# Altium PCB MainBoard.PcbDoc
Units mil, origin at the board's own origin, x right, y up, seen from the top; angles counter-clockwise.
Board outline 4810.03 x 3172.53 mil, 2 copper layers (Top Layer, Bottom Layer); 45 components, 73 nets, 289 pads, 36 vias.
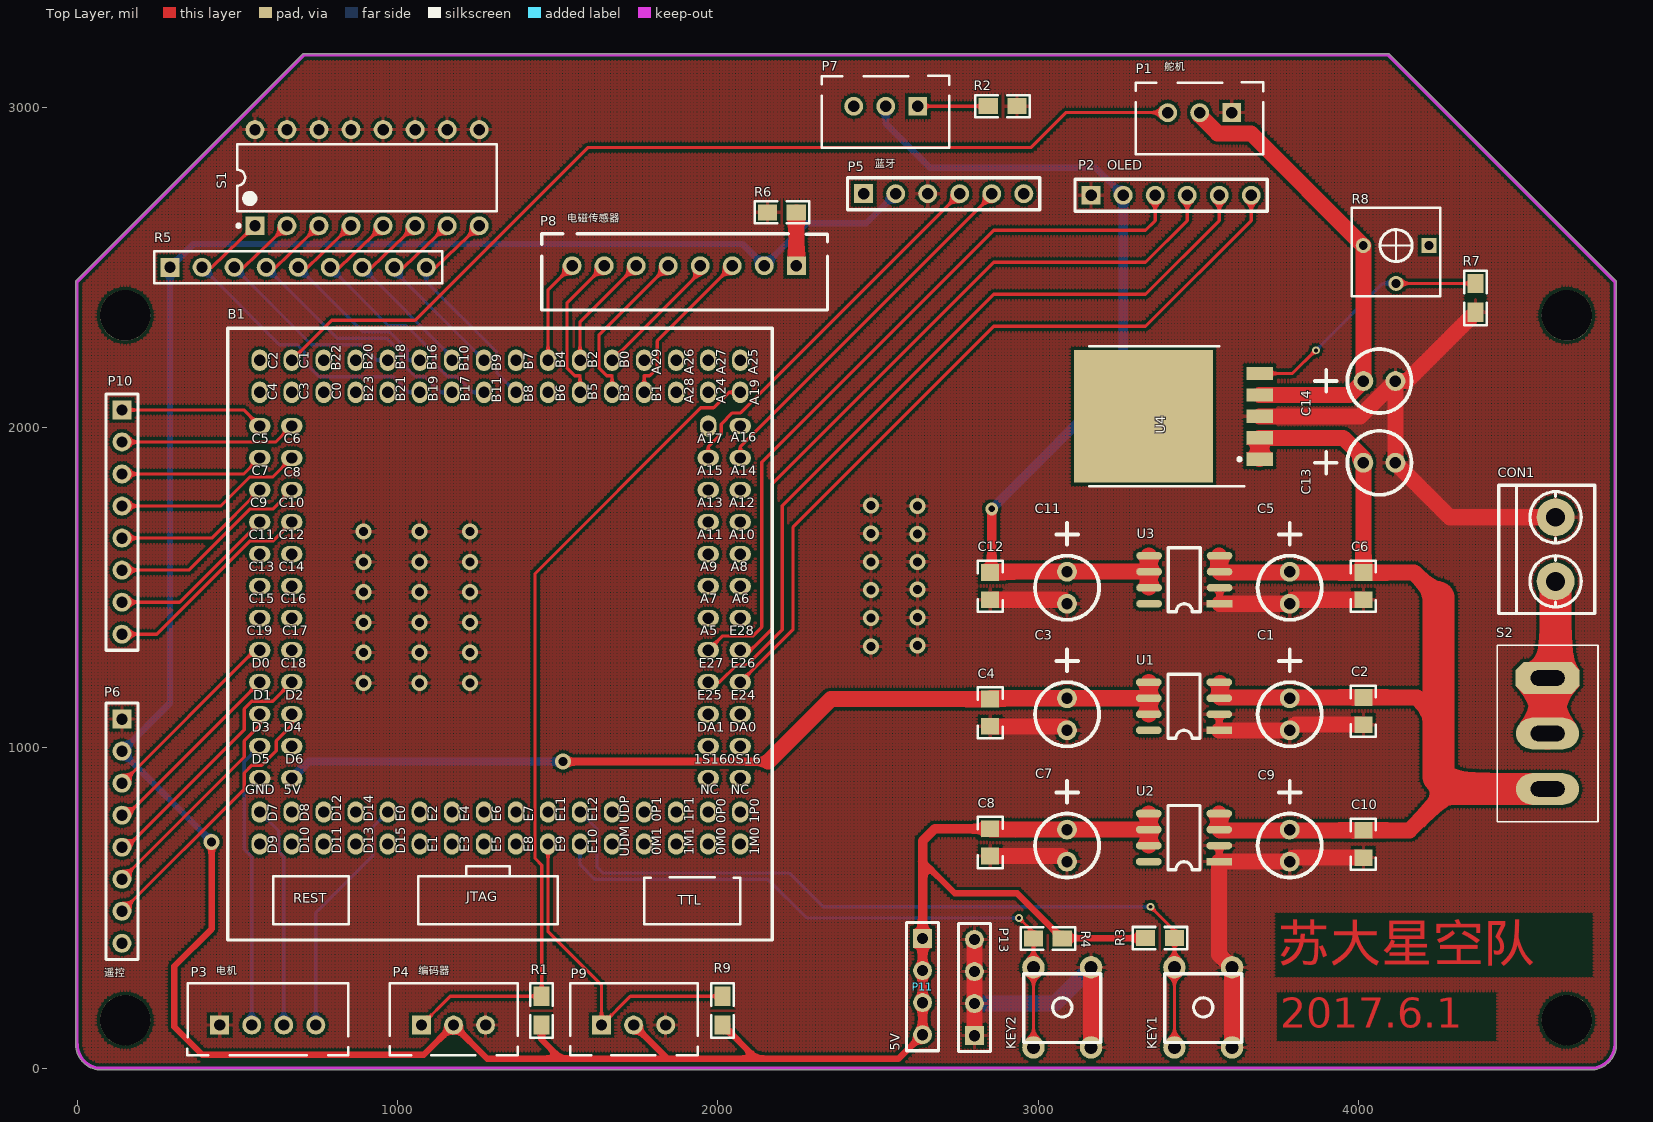
[diagram p0: Top Layer view]
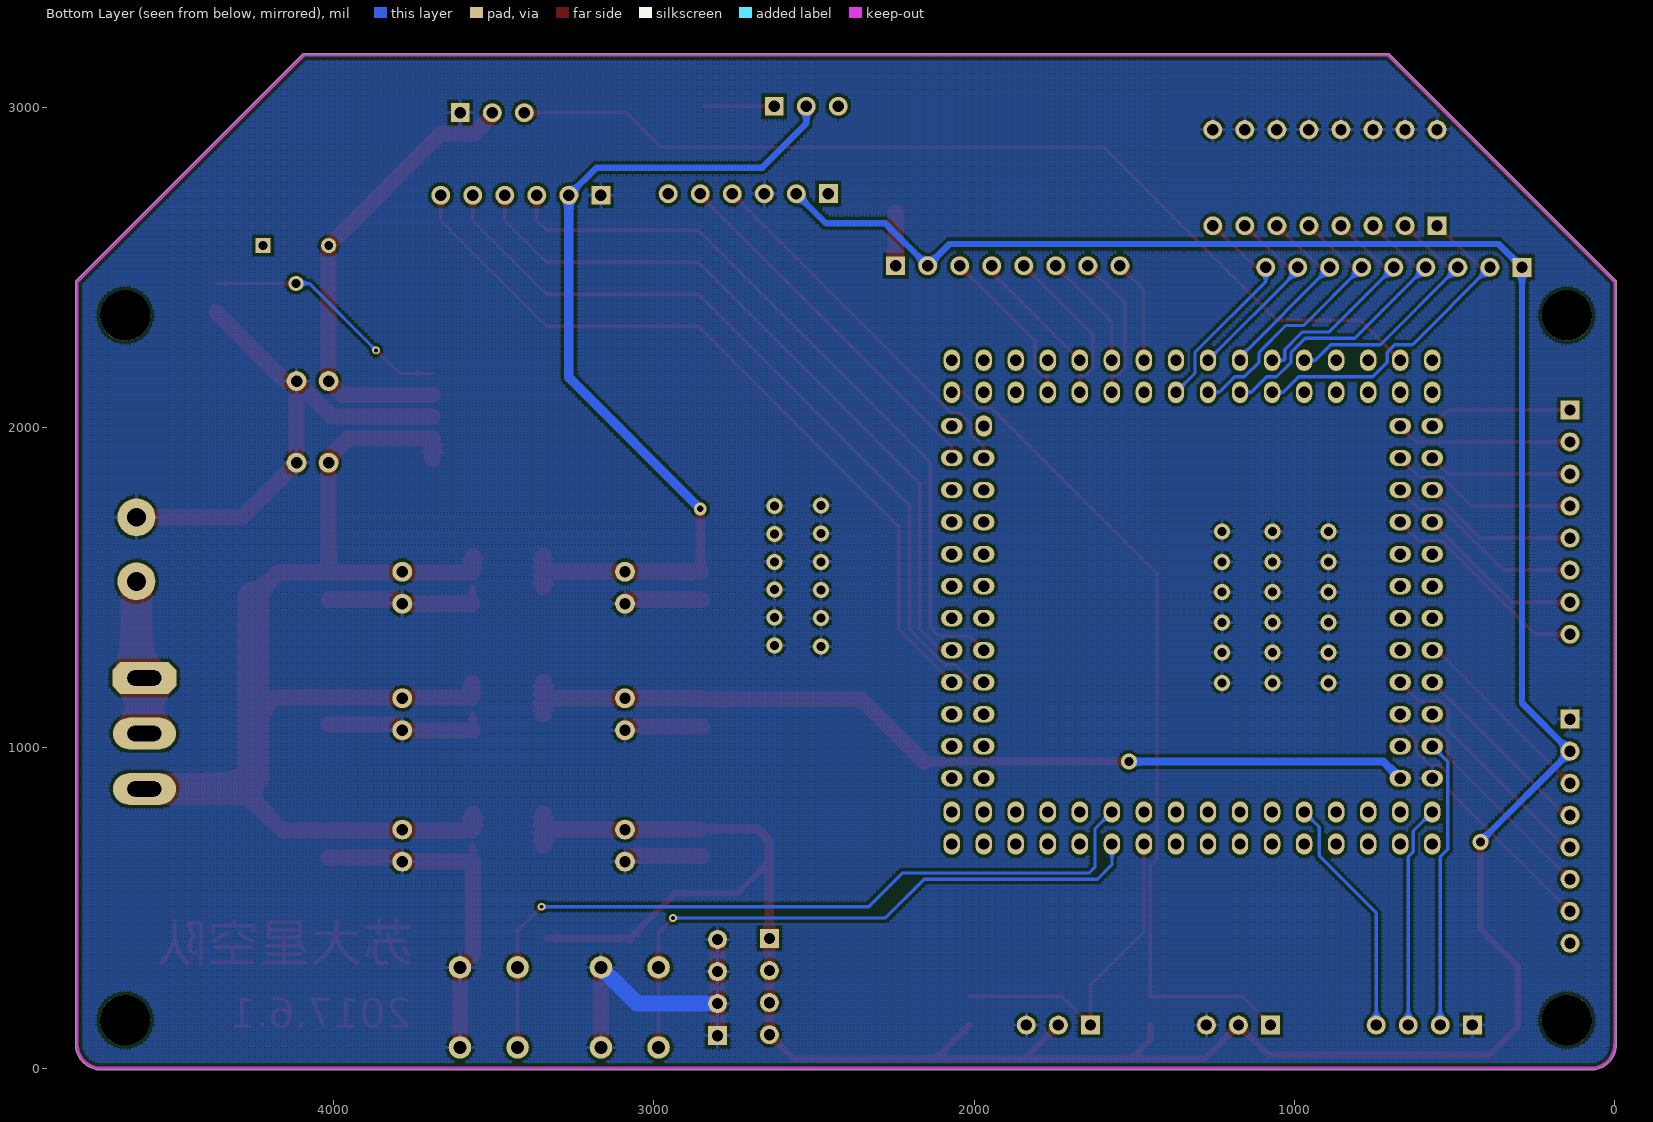
[diagram p1: Bottom Layer view, seen from below]

## Layer stack, top to bottom
Top Solder: solder mask 0.4, Solder Resist, Dk 3.5
Top Layer: signal copper 1.4
Dielectric 1: dielectric 12.6, FR-4, Dk 4.8
Bottom Layer: signal copper 1.4
Bottom Solder: solder mask 0.4, Solder Resist, Dk 3.5

## Board outline
-4.32,72.46 cw(c0,75) -5.01,75 -5.01,2455 cw(c0,2455) -3.53,2458.56 -3.55,2458.55 703.95,3166.05 703.94,3166.03 cw(c707.5,3162.5) 707.5,3167.52 4092.5,3167.52 cw(c4092.5,3162.5) 4096.06,3166.03 4096.05,3166.05 4803.55,2458.55 4803.53,2458.56 cw(c4800,2455) 4805.02,2455 4805.02,70 cw(c4800,70) 4804.74,68.36 cw(c4725,75) 4731.64,-4.74 cw(c4730,0) 4730,-5.01 75,-5.01 cw(c75,74.33)

## Design rules (kind name [scope] priority, off if disabled: settings)
Clearance [All] p1: gap=10
HoleSize [All] p1: absolutevalues=TRUE maxlimit=200 minlimit=1 maxpercent=80.000 minpercent=20.000
PolygonConnect [All] p1: connectstyle=Relief reliefconductorwidth=10 reliefentries=4 polygonreliefangle="90 Angle" airgapwidth=10
RoutingVias [All] p1: holewidth=28 width=50 viastyle="Through Hole" minholewidth=10 minwidth=20 maxholewidth=100 maxwidth=100
SilkToSilkClearance [All] p1: silktosilkclearance=2
SilkToSolderMaskClearance [IsPad] p1: minsilkscreentomaskgap=0 clearancetoexposedcopper=TRUE
SolderMaskExpansion [All] p1: expansion=4
Width [InNetClass('All Nets')] p1: maxlimit=100 minlimit=5 preferedwidth=10
27 further rules are at their usual default settings.

## Classes and differential pairs
component class Power: C1 C2 C3 C4 C5 C6 C7 C8 C9 C10 C11 C12 C13 C14 CON1 R6 R7 R8 S2 U1 U2 U3 U4
component class MainBoard: * B1 KEY1 KEY2 P1 P2 P3 P4 P5 P6 P8 P9 P10 P11 P13 R1 R2 R3 R4 R5 R9 S1

## Components (designator, comment, footprint, x,y, rotation, side; value= is the part's Value field where it differs from the comment)
B1 "K60P144_system" 锋速MK60P144_system 570,2210 r0 top locked
C1 "Cap Pol_22uF" Cap-Pol-10UF 3785,1155 r270 top
C2 "Cap Semi" Cap-0805C 4015,1115 r270 top
C3 "Cap Pol_22uF" Cap-Pol-10UF 3090,1155 r270 top
C4 "Cap Semi" Cap-0805C 2850,1110 r270 top
C5 "Cap Pol_22uF" Cap-Pol-10UF 3785,1550 r270 top
C6 "Cap Semi" Cap-0805C 4015,1505 r270 top
C7 "Cap Pol_22uF" Cap-Pol-10UF 3090,745 r270 top
C8 "Cap Semi" Cap-0805C 2850,705 r270 top
C9 "Cap Pol_22uF" Cap-Pol-10UF 3785,745 r270 top
C10 "Cap Semi" Cap-0805C 4015,700 r270 top
C11 "Cap Pol_22uF" Cap-Pol-10UF 3090,1550 r270 top
C12 "Cap Semi" Cap-0805C 2850,1505 r270 top
C13 "Cap Pol" Cap-Pol-10UF 4015,1890 r0 top
C14 "Cap Pol_22uF" Cap-Pol-10UF 4015,2145 r0 top
CON1 "PowerIn" KF301-2P 4615,1620 r180 top
KEY1 "SW-4" SW-4 3515,190 r0 top
KEY2 "SW-4" SW-4 3075,190 r0 top
P1 "舵机" XH1X3 3604,2983 r180 top
P2 "OLED" XH2.54_6P2 3465,2725 r0 top
P3 "电机" XH1X4 445,135 r0 top
P4 "编码器" XH1X3 1075,135 r0 top
P5 "蓝牙" XH2.54_6P2 2755,2730 r0 top
P6 "遥控" XH2.54_8P2 140,790 r270 top
P7 "Header 3" XH1X3 2624,3003 r180 top
P8 "电磁传感器" XH2.54_8P 1945,2505 r180 top
P9 "编码器" XH1X3 1637,135 r0 top
P10 "" XH2.54_8P2 140,1755 r270 top
P11 "5V" XH2.54_4P2 2639,105 r270 top
P13 "3V3" XH2.54_4P2 2801,402 r90 top
R1 "Res2" ty0805ss 1450,180 r90 top
R2 "Res2" ty0805ss 2889,3003 r0 top
R3 "Res2" ty0805ss 3380,406 r180 top
R4 "Res2" ty0805ss 3030,405 r0 top
R5 "ResPackage" HDR1X9 290,2500 r0 top
R6 "Res2" ty0805ss 2200,2672 r180 top
R7 "Res2" ty0805ss 4365,2405 r270 top
R8 "500K" VR_3362P 4117,2568 r180 top
R9 "Res2" ty0805ss 2015,180 r90 top
S1 "SW DIP-8" DIP-16 905,2780 r90 top
S2 "SW-SPDT" SWICH_2 4590,1045 r0 top
U1 "TPS7350给单片机供电" SO-8 3565,1055 r180 top
U2 "TPS7350其他外围电路供电" SO-8 3565,645 r180 top
U3 "TPS7333给部分电路供电" SO-8 3566,1450 r180 top
U4 "MIC29302给舵机供电" TO263-5 3525,2035 r90 top

## Footprints (in the part's own frame and the unit in brackets; to place one, negate y for a bottom-side part, rotate by r counter-clockwise, add the part's x,y. Pads: shape width x height; smd on the part's side, far side on the other; paste and mask are expansions set on the pad)
Cap-0805C [mil]
  rect 52x56 smd: 1(-42.5,0) 2(42.5,0)
  silkscreen extent -80,-39 80,39
Cap-Pol-10UF [mil]
  round 62 hole 35.43: 1(0,0) 2(100,0)
  silkscreen extent -152,-100 150,100
DIP-16 [mm] "DIP; 16 Leads; Row Spacing 7.62 mm; Pitch 2.54 mm"
  rect 1.5x1.5 hole 0.9: 1(-3.81,8.89)
  round 1.5 hole 0.9: 2(-3.81,6.35) 3(-3.81,3.81) 4(-3.81,1.27) 5(-3.81,-1.27) 6(-3.81,-3.81) 7(-3.81,-6.35) 8(-3.81,-8.89) 9(3.81,-8.89) 10(3.81,-6.35) 11(3.81,-3.81) 12(3.81,-1.27) 13(3.81,1.27) 14(3.81,3.81) 15(3.81,6.35) 16(3.81,8.89)
  silkscreen extent -3.93,-10.3 2.65,10.31, body extent -3.6,-10.28 3.6,10.28, height 5.08
HDR1X9 [mm] "Connector; Header; 9 Position"
  rect 1.5x1.5 hole 0.9: 1(0,0)
  round 1.5 hole 0.9: 2(2.54,0) 3(5.08,0) 4(7.62,0) 5(10.16,0) 6(12.7,0) 7(15.24,0) 8(17.78,0) 9(20.32,0)
  silkscreen extent -1.27,-1.27 21.59,1.27
KF301-2P [mm]
  round 3 hole 1.5: 1(0,-2.54) 2(0,2.54)
  silkscreen extent -3.1,-5.08 4.5,5.08
SO-8 [mil]
  rect 80x24 smd: 1(0,0)
  oval 80x24 smd: 2(0,-50) 3(0,-100) 4(0,-150) 5(220,-150) 6(220,-100) 7(220,-50) 8(220,0)
  silkscreen extent 60,-175 160,25
SW-4 [mil]
  round 70 hole 40: 1(-90,-125) 1(-90,125) 2(90,-125) 2(90,125)
  silkscreen extent -120,-110 120,105
SWICH_2 [mm]
  oval 5x2.5 hole 1.2 slot 2.7 at 0 deg: 1(0,-4.4) 2(0,0)
  oct 5.08x2.5 hole 1.2 slot 2.7 at 0 deg: 3(0,4.4)
  silkscreen extent -4,-7 4,7
TO263-5 [mm] "贴片LM2596"
  rect 1.05x2.1 smd: 1(-3.4,-4.225) 2(-1.7,-4.225) 3(0,-4.225) 4(1.7,-4.225) 5(3.4,-4.225)
  rect 10.5x11 smd: 6(0,4.987)
  silkscreen extent -5.55,-3 5.55,9.28, body extent -5.33,-4.7 5.33,10.29, height 3
ty0805ss [mil]
  rect 60x50 smd: 1(-45,0) 2(45,0)
  silkscreen extent -85,-35 85,35
VR_3362P [mm] "Potentiometer; 3 Leads"
  rect 1.2x1.2 hole 0.7: 1(-2.6,0)
  round 1.2 hole 0.7: 2(0,3) 3(2.6,0)
  silkscreen extent -3.5,-3 3.5,4
XH1X3 [mm] "Connector; Header; 3 Position"
  rect 1.5x1.5 hole 0.9: 1(0,0)
  round 1.5 hole 0.9: 2(2.54,0) 3(5.08,0)
  silkscreen extent -2.5,-2.4 7.62,3.3
XH1X4 [mm] "Connector; Header; 4 Position"
  rect 1.5x1.5 hole 0.9: 1(0,0)
  round 1.5 hole 0.9: 2(2.54,0) 3(5.08,0) 4(7.62,0)
  silkscreen extent -2.58,-2.4 10.2,3.3
XH2.54_4P2 [mm]
  rect 1.5x1.5 hole 0.9: 1(-7.62,0)
  round 1.5 hole 0.9: 2(-5.08,0) 3(-2.54,0) 4(0,0)
  silkscreen extent -8.89,-1.27 1.27,1.27
XH2.54_6P2 [mm]
  rect 1.5x1.5 hole 0.9: 1(-7.62,0)
  round 1.5 hole 0.9: 2(-5.08,0) 3(-2.54,0) 4(0,0) 5(2.54,0) 6(5.08,0)
  silkscreen extent -8.89,-1.27 6.35,1.27
XH2.54_8P [mm]
  rect 1.5x1.5 hole 0.9: 1(-7.62,0)
  round 1.5 hole 0.9: 2(-5.08,0) 3(-2.54,0) 4(0,0) 5(2.54,0) 6(5.08,0) 7(7.62,0) 8(10.16,0)
  silkscreen extent -10.08,-2.54 12.57,3.5
XH2.54_8P2 [mm]
  rect 1.5x1.5 hole 0.9: 1(-7.62,0)
  round 1.5 hole 0.9: 2(-5.08,0) 3(-2.54,0) 4(0,0) 5(2.54,0) 6(5.08,0) 7(7.62,0) 8(10.16,0)
  silkscreen extent -8.89,-1.27 11.43,1.27
锋速MK60P144_system [mm]
  oval 1.7x1.3 hole 0.9: 101(0,-5.207) 102(2.54,-5.207) 103(0,-7.747) 104(2.54,-7.747) 105(0,-10.287) 106(2.54,-10.287) 107(0,-12.827) 108(2.54,-12.827) 109(0,-15.367) 110(2.54,-15.367) 111(0,-17.907) 112(2.54,-17.907) 113(0,-20.447) 114(2.54,-20.447) 115(0,-22.987) 116(2.54,-22.987) 117(0,-25.527) 118(2.54,-25.527) 119(0,-28.067) 120(2.54,-28.067) 121(0,-30.607) 122(2.54,-30.607) 123(0,-33.147) 124(2.54,-33.147) 302(38.1,-5.207) 303(35.56,-7.747) 304(38.1,-7.747) 305(35.56,-10.287) 306(38.1,-10.287) 307(35.56,-12.827) 308(38.1,-12.827) 309(35.56,-15.367) 310(38.1,-15.367) 311(35.56,-17.907) 312(38.1,-17.907) 313(35.56,-20.447) 314(38.1,-20.447) 315(35.56,-22.987) 316(38.1,-22.987) 317(35.56,-25.527) 318(38.1,-25.527) 319(35.56,-28.067) 320(38.1,-28.067) 321(35.56,-30.607) 322(38.1,-30.607) 323(35.56,-33.147) 324(38.1,-33.147)
  oval 1.3x1.7 hole 0.9: 201(0,-38.354) 202(0,-35.814) 203(2.54,-38.354) 204(2.54,-35.814) 205(5.08,-38.354) 206(5.08,-35.814) 207(7.62,-38.354) 208(7.62,-35.814) 209(10.16,-38.354) 210(10.16,-35.814) 211(12.7,-38.354) 212(12.7,-35.814) 213(15.24,-38.354) 214(15.24,-35.814) 215(17.78,-38.354) 216(17.78,-35.814) 217(20.32,-38.354) 218(20.32,-35.814) 219(22.86,-38.354) 220(22.86,-35.814) 221(25.4,-38.354) 222(25.4,-35.814) 223(27.94,-38.354) 224(27.94,-35.814) 225(30.48,-38.354) 226(30.48,-35.814) 227(33.02,-38.354) 228(33.02,-35.814) 229(35.56,-38.354) 230(35.56,-35.814) 231(38.1,-38.354) 232(38.1,-35.814) 301(35.56,-5.207) 401(0,-2.54) 402(0,0) 403(2.54,-2.54) 404(2.54,0) 405(5.08,-2.54) 406(5.08,0) 407(7.62,-2.54) 408(7.62,0) 409(10.16,-2.54) 410(10.16,0) 411(12.7,-2.54) 412(12.7,0) 413(15.24,-2.54) 414(15.24,0) 415(17.78,-2.54) 416(17.78,0) 417(20.32,-2.54) 418(20.32,0) 419(22.86,-2.54) 420(22.86,0) 421(25.4,-2.54) 422(25.4,0) 423(27.94,-2.54) 424(27.94,0) 425(30.48,-2.54) 426(30.48,0) 427(33.02,-2.54) 428(33.02,0) 429(35.56,-2.54) 430(35.56,0) 431(38.1,-2.54) 432(38.1,0)
  silkscreen extent -2.54,-45.97 40.64,2.54

## Part data
B1: library part "锋速MINI K60P144_system"
C1 C3 C5 C7 C9 C11 C13 C14: "Polarized Capacitor (Surface Mount)"
C2 C4 C6 C8 C10 C12: "Capacitor (Semiconductor SIM Model)"
CON1: library part "Header 2", "Header, 2-Pin"
KEY1 KEY2: "KEY"
P1 P4 P9: library part "Header 3", "Header, 3-Pin"
P2 P5: library part "Header 6", "Header, 6-Pin"
P3: library part "Header 4", "Header, 4-Pin"
P6 P8 P10: library part "Header 8X1A", "Header, 4-Pin, Dual row"
P7: "Header, 3-Pin"
P11 P13: library part "Header 4X1A", "Header, 4-Pin, Dual row"
R1 R2 R3 R4 R6 R7 R9: "Resistor贴片封装"
R8: library part RES-ADJ
S1: "DIP Switch, 8 Position, SPST"
S2: "SPDT Subminiature Toggle Switch, Right Angle Mounting, Vertical Actuation"
U1 U2: library part TPS7350
U3: library part TPS7333
U4: library part MIC29032

## Free pads (board coordinates)
  round 157.48 hole 157.48: 0(150,150) 1(4650,150) 2(150,2350) 3(4650,2350)

## Via types
v1: diameter 50, hole 28, Top Layer to Bottom Layer, 32 vias
v2: diameter 24, hole 12, Top Layer to Bottom Layer, 3 vias
v3: diameter 40, hole 20, Top Layer to Bottom Layer, 1 vias

## Nets (pads, with @x,y where several pads share a name; then routed paths per layer and width w, separated by ;. In a path a pad name is that pad's centre, name@x,y a point inside that pad or via, vN(x,y) a via of type N, cw(c..) or ccw(c..) an arc to the next point about the centre after c; other vN are vias at no path point)
3V3: C11.1 C12.1 P2.2 P7.2 U3.5 U3.6 U3.7 | length 2829.7
  Top Layer w15: C12.1 2852.5,1550 C12.1@2855,1552.5
  Top Layer w30: C12.1@2855,1552.5 v3(2855,1746)
  Top Layer w50: C12.1@2852.5,1550 C11.1 U3.6@3345,1550 ; U3.7@3345,1500 U3.6@3345,1550 ; U3.5@3345,1600 U3.6@3345,1550
  Bottom Layer w20: P7.2 2524,2949 2662,2811 3179,2811 P2.2
  Bottom Layer w30: v3(2855,1746) 3265,2156 P2.2
5V: C7.1 C8.1 P4.2 P5.2 P6.2 P8.2 P9.2 P11.1 P11.2 P11.3 P11.4 R1.1 R3.2 R4.2 R5.1 R9.1 U2.5 U2.6 U2.7 | length 10144.3
  Top Layer w15: 2934.36,545.64 2934.36,546
  Top Layer w20: v1(420,707) 420,435 303,318 303,130 391,42 1082,42 P4.2 1280,30 1509,30 ; R1.1 1450,89 1509,30 ; P9.2 1840,32 1840,30 ; R9.1 2120,30 ; P11.4 2564,30 2120,30 ; 2639,646 2739,546 2934.36,546 ; 2934.36,545.64 3074,406 R3.2 ; 1509,30 1840,30 ; 1840,30 2120,30
  Top Layer w30: P11.4 P11.3 P11.2 P11.1 2639,646 2639,710 2676.5,747.5 C8.1 ; R4.2 R4.2@3075,405.36
  Top Layer w50: C8.1@2852.5,745 C7.1 U2.6 ; U2.7 U2.6 ; U2.5 U2.6
  Bottom Layer w15: P6.2@140,987 P6.2
  Bottom Layer w20: P6.2@140,987 v1(420,707) ; P6.2 290,1140 R5.1 363,2573 2077,2573 P8.2 2278,2638 2463,2638 P5.2
5V1: B1.124 C3.1 C4.1 U1.5 U1.6 U1.7 | length 2875
  Top Layer w25: v1(1517,956.91) 2156.91,956.91
  Top Layer w50: 2156.91,956.91 2352.5,1152.5 C4.1 ; C4.1@2852.5,1155 C3.1 U1.6 ; U1.7 U1.6 ; U1.5 U1.6
  Bottom Layer w25: B1.124 721.91,956.91 v1(1517,956.91)
7V2: C1.1 C2.1 C5.1 C6.1 C9.1 C10.1 C13.1 S2.1 U1.3 U1.4 U2.3 U2.4 U3.3 U3.4 U4.1 U4.2 | length 4053.7
  Top Layer w50: U2.3 U2.4 ; U3.4@3565,1600 3565,1550 3567.5,1547.5 C6.1 ; U2.3@3567.5,742.5 C10.1 4158.96,742.5 4288.23,871.77 ; U1.4@3567.5,1202.5 3567.5,1157.5 C2.1 4182.5,1157.5 4250,1090 ; U4.1 U4.2 3951.93,1968.07 4015,1905 C13.1 ; C13.1@4003.86,1901.14 C13.1 ; 4250,1470 4172.5,1547.5 C6.1 ; C6.1 C13.1
  Top Layer w100: 4250,1470 4250,1090 4250,910 4288.23,871.77 S2.1
AD1: B1.425 P8.3 | length 518.5
  Top Layer w10: B1.425 1770,2161.14 1770.4,2161.54 1786.81,2161.54 1810.59,2185.31 1810.59,2270.59 P8.3
AD2: B1.424 P8.4 | length 408.9
  Top Layer w10: B1.424 1945,2485 P8.4
AD3: B1.423 P8.5 | length 510.7
  Top Layer w10: B1.423 1670,2161.14 1669.6,2161.54 1653.19,2161.54 1629.41,2185.31 1629.41,2289.41 P8.5
AD4: B1.422 P8.6 | length 367.5
  Top Layer w10: B1.422 1570,2330 P8.6
AD5: B1.421 P8.7 | length 469.3
  Top Layer w10: B1.421 1570,2161.14 1569.6,2161.54 1553.19,2161.54 1529.41,2185.31 1529.41,2389.41 P8.7
AD6: B1.420 P8.8 | length 326.1
  Top Layer w10: B1.420 1470,2430 P8.8
AD7: B1.419
AD8: B1.418
ADJ: C14.1 P1.2 R8.3 U4.4 | length 1451.7
  Top Layer w50: P1.2 3504,2974.45 3559.98,2918.47 3664.17,2918.47 R8.3 ; U4.4 3971.93,2101.93 C14.1 R8.3@4015,2567.64
AGND: P8.1 R6.1 | length 167
  Top Layer w50: P8.1 R6.1
CURRENT: B1.210 P3.4 | length 758.2
  Bottom Layer w10: P3.4 745,485 923,663 923,753 B1.210
D0: B1.115 P6.3 | length 601.9
  Top Layer w10: P6.3 555,1305 B1.115
D1: B1.117 P6.4 | length 601.9
  Top Layer w10: P6.4 155,790 B1.117
D2: B1.118 P6.5 | length 781.6
  Top Layer w10: P6.5 155,690 521.54,1056.54 521.54,1121.81 545.31,1145.59 610.59,1145.59 B1.118
D3: B1.119 P6.6 | length 693.1
  Top Layer w10: P6.6 521.54,971.54 521.54,1021.81 570,1070.28 B1.119
D/C: B1.318 P2.6 | length 2458.3
  Top Layer w10: B1.318 2235,1370 2235,1690 2861,2316 3335,2316 3665,2646 P2.6
GND: B1.123 C1.2 C2.2 C3.2 C4.2 C5.2 C6.2 C7.2 C8.2 C9.2 C10.2 C11.2 C12.2 C13.2 C14.2 CON1.1 KEY1.2 KEY2.2 P1.1 P2.1 P3.1 P4.3 P5.3 P6.1 P9.3 P13.1 P13.2 P13.3 P13.4 R2.2 R6.2 R7.2 S1.9 S1.10 S1.11 S1.12 S1.13 S1.14 S1.15 S1.16 U1.1 U1.2 U2.1 U2.2 U3.1 U3.2 U4.3 | length 5445.3
  Top Layer w20: U2.1 U2.2 ; U1.1 U1.2 ; U3.1 U3.2
  Top Layer w50: P13.1 P13.2 P13.3 P13.4 ; C8.2 3072.5,662.5 C7.2 ; C4.2 3077.5,1067.5 C3.2 ; C12.2 3077.5,1462.5 C11.2 ; KEY2.2@3165,65 KEY2.2@3165,315 ; U1.1 C1.2 3802.5,1072.5 C2.2 ; U3.1 C5.2 3797.5,1462.5 C6.2 ; KEY1.2@3605,65 3605,315 3565,355 U2.1 C9.2 3797.5,657.5 C10.2 ; U4.3 4005,2035 C14.2 ; R7.2 4150,2145 C14.2 ; CON1.1 4285,1720 C13.2 C14.2
  Bottom Layer w50: P13.2 3052,202 KEY2.2@3165,315
  other v1: 894,1203 1068,1203 1226,1203 894,1297.4 1068,1297.4 1226,1297.4 2478,1317 2623,1320 894,1391.8 1068,1391.8 1226,1391.8 2478,1405 2623,1407 894,1486.2 1068,1486.2 1226,1486.2 2478,1493 2623,1494 894,1580.6 1068,1580.6 1226,1580.6 2478,1581 2623,1581 2623,1668 2478,1669 894,1675 1068,1675 1226,1675 2623,1755 2478,1757
GO: P7.1 R2.1 | length 220
  Top Layer w10: P7.1 R2.1
KEY1: B1.222 KEY1.1 R3.1 | length 2443.6
  Top Layer w10: v2(3350.59,504.41) 3425,430 R3.1 3425,315 KEY1.1@3425,65
  Bottom Layer w10: B1.222 1623,747 1623,627 1640,610 2223,610 2328.59,504.41 v2(3350.59,504.41)
KEY2: B1.221 KEY2.1 R4.1 | length 1926.4
  Top Layer w10: v2(2940,469) 2985,424 R4.1 2985,315 KEY2.1@2985,65
  Bottom Layer w10: B1.221 1570,635 1615,590 2156,590 2277,469 v2(2940,469)
NetCON1_2: CON1.2 S2.2 S2.3 | length 485.4
  Top Layer w100: S2.2 S2.3 4615,1243.23 CON1.2
NetR7_1: R7.1 R8.2 U4.5 | length 790
  Top Layer w10: U4.5 3793.86,2168.86 3866,2241 v2(3867,2241) ; R8.2@4117.11,2450 R7.1
  Bottom Layer w10: v2(3867,2241) 4075.89,2449.89 R8.2
PA10: B1.308
PTB8: B1.417 R5.9 S1.8 | length 723.4
  Top Layer w10: R5.9 1120,2500 S1.8
  Bottom Layer w10: R5.9 1090,2455.28 1310.59,2234.69 1310.59,2169.41 B1.417
PTB9: B1.416 R5.8 S1.7 | length 623.4
  Top Layer w10: R5.8 1020,2500 S1.7
  Bottom Layer w10: R5.8 990,2490 B1.416
PTB10: B1.414 R5.7 S1.6 | length 623.4
  Top Layer w10: R5.7 920,2500 S1.6
  Bottom Layer w10: R5.7 1170,2220 B1.414
PTB11: B1.415 R5.6 S1.5 | length 876.9
  Top Layer w10: R5.6 820,2500 S1.5
  Bottom Layer w10: R5.6 971.54,2318.46 1026.81,2318.46 1110.59,2234.69 1110.59,2204.13 1156.26,2158.46 1186.81,2158.46 1235.28,2110 B1.415
PTB16: B1.412 R5.5 S1.4 | length 735.4
  Top Layer w10: R5.5 720,2500 S1.4
  Bottom Layer w10: R5.5 891.54,2298.46 975.1,2298.46 1030.59,2242.97 1030.59,2212.42 1033.01,2210 B1.412
PTB17: B1.413 R5.4 S1.3 | length 976.9
  Top Layer w10: R5.4 620,2500 S1.3
  Bottom Layer w10: R5.4 811.54,2278.46 966.81,2278.46 1010.59,2234.69 1010.59,2204.13 1056.26,2158.46 1086.81,2158.46 1135.28,2110 B1.413
PTB18: B1.410 R5.3 S1.2 | length 817.5
  Top Layer w10: R5.3 520,2500 S1.2
  Bottom Layer w10: R5.3 731.54,2258.46 886.81,2258.46 935.28,2210 B1.410
PTB19: B1.411 R5.2 S1.1 | length 1076.9
  Top Layer w10: R5.2 420,2500 S1.1
  Bottom Layer w10: R5.2 631.54,2258.46 686.81,2258.46 710.59,2234.69 710.59,2204.13 756.26,2158.46 986.81,2158.46 1035.28,2110 B1.411
PTB20: B1.408
PTB21: B1.409
PTB22: B1.406
PTB23: B1.407
PTC5: B1.101 P10.1 | length 450.7
  Top Layer w10: P10.1 520,2055 B1.101
PTC6: B1.102 P10.2 | length 550.7
  Top Layer w10: P10.2 620,1955 B1.102
PTC7: B1.103 P10.3 | length 450.7
  Top Layer w10: P10.3 520,1855 B1.103
PTC8: B1.104 P10.4 | length 592.1
  Top Layer w10: P10.4 448.28,1755 538.87,1845.59 610.59,1845.59 B1.104
PTC9: B1.105 P10.5 | length 492.1
  Top Layer w10: P10.5 420,1655 B1.105
PTC10: B1.106 P10.6 | length 633.6
  Top Layer w10: P10.6 348.28,1555 538.87,1745.59 610.59,1745.59 B1.106
PTC11: B1.107 P10.7 | length 533.6
  Top Layer w10: P10.7 320,1455 B1.107
PTC12: B1.108 P10.8 | length 675
  Top Layer w10: P10.8 248.28,1355 538.87,1645.59 610.59,1645.59 B1.108
PTC13: B1.109
PTC14: B1.110
PTC15: B1.111
PTC16: B1.112
PTC17: B1.114
PTC18: B1.116
PTC19: B1.113
PTE1: B1.211
PTE2: B1.212
PTE3: B1.213
PTE4: B1.214
PTE5: B1.215
PTE6: B1.216
PTE7: B1.218
PTE8: B1.217
PWM1: B1.121 P3.2 | length 899.8
  Bottom Layer w10: P3.2 545,659.72 521.54,683.19 521.54,956.54 B1.121
PWM2: B1.202 P3.3 | length 696.1
  Bottom Layer w10: B1.202 629.41,740.59 629.41,675.31 645,659.72 P3.3
RST: B1.317 P2.5 | length 2497.6
  Top Layer w10: B1.317 2004.72,1205 2059.72,1260 2092,1260 2201,1369 2201,1756 2861,2416 3335,2416 3565,2646 P2.5
RXD: B1.303 P5.4 | length 1165.1
  Top Layer w10: B1.303 1970,1939.72 2010.59,1980.31 2010.59,2010.87 2045.31,2045.59 2070.87,2045.59 2755,2729.72 P5.4
SCL: B1.315 P2.3 | length 2350.1
  Top Layer w10: B1.315@1989,1305 B1.315 2014,1349 2109,1349 2137,1377 2137,1892 2861,2616 3335,2616 3365,2646 P2.3
SDA: B1.316 P2.4 | length 2294.8
  Top Layer w10: B1.316 2103,1305 2170,1372 2170,1825 2861,2516 3335,2516 3465,2646 P2.4
SPEED1: B1.431 P4.1 R1.2 | length 2615.1
  Top Layer w10: P4.1 1165,225 R1.2 1450,634.13 1429.41,654.72 1429.41,1544.41 1946.54,2061.54 1986.81,2061.54 2035.28,2110 B1.431
SPEED2: B1.219 P9.1 R9.2 | length 1049.5
  Top Layer w10: B1.219 1470,426 1637,259 P9.1 1727,225 R9.2
STEERINGPWM: B1.404 P1.3 | length 3054.2
  Top Layer w10: B1.404 795,2335 1055,2335 1594,2874 2977,2874 3086,2983 P1.3
TXD: B1.304 P5.5 | length 1150.2
  Top Layer w10: B1.304 2070,1939.72 2855,2724.72 P5.5
VT: B1.120 P6.7 | length 852.4
  Top Layer w10: P6.7 521.54,871.54 521.54,921.81 545.31,945.59 575.87,945.59 621.54,991.26 621.54,1021.81 670,1070.28 B1.120
pads on no net: B1.122 B1.201 B1.203 B1.204 B1.205 B1.206 B1.207 B1.208 B1.209 B1.220 B1.223 B1.224 B1.225 B1.226 B1.227 B1.228 B1.229 B1.230 B1.231 B1.232 B1.301 B1.302 B1.305 B1.306 B1.307 B1.309 B1.310 B1.311 B1.312 B1.313 B1.314 B1.319 B1.320 B1.321 B1.322 B1.323 B1.324 B1.401 B1.402 B1.403 B1.405 B1.426 B1.427 B1.428 B1.429 B1.430 B1.432 P5.1 P5.6 P6.8 P7.3 R8.1 U1.8 U2.8 U3.8 U4.6

## Polygon pours and split planes (outlines as drawn)
GND on Bottom Layer "GND" (hatched 90Degree grid 10 track 8, remove dead copper, pour order 18): -163,3225 5033,3225 5033,-22 4956,-99 4930,-125 -112,-125 -112,3155 -175,3218
GND on Top Layer "GND" (hatched 90Degree grid 10 track 8, remove dead copper, pour order 20): -106,3218 -68,3256 4969,3256 4969,-67 4937,-99 4931,-93 -118,-93 -118,3211 -125,3218

## Keep-outs
Keep-Out Layer:
  lines w10: 0,75 0,2455 707.5,3162.5 4092.5,3162.5 4800,2455 4800,70 ; 0.67,74.99 ccw(c75,74.33) 75,0 1281.25,0 3843.75,0 4730,0 ; 4725,0 ccw(c4725,75) 4800,75

## Other copper
Top Layer:
  text "苏大星空队" at 3750,295 h200
  text "2017.6.1" at 3755,95 h160

## Text inside footprints (layer, text, board x,y; h text height)
B1: Top Overlay "TTL" at 1875,500 h50; Top Overlay "JTAG" at 1215,510 h50; Top Overlay "REST" at 675,505 h50; Top Overlay "1P0" at 2140,765 h50 r90; Top Overlay "1M0" at 2140,665 h50 r90; Top Overlay "NC" at 1945,845 h50; Top Overlay "NC" at 2040,845 h50; Top Overlay "0S16" at 2030,940 h50; Top Overlay "1S16" at 1925,940 h50; Top Overlay "DA1" at 1935,1040 h50; Top Overlay "DA0" at 2035,1040 h50; Top Overlay "E24" at 2040,1140 h50; Top Overlay "E25" at 1935,1140 h50; Top Overlay "E26" at 2040,1240 h50; Top Overlay "E27" at 1940,1240 h50; Top Overlay "E28" at 2035,1340 h50; Top Overlay "A5" at 1945,1340 h50; Top Overlay "A7" at 1945,1440 h50; Top Overlay "A6" at 2045,1440 h50; Top Overlay "A8" at 2040,1540 h50; Top Overlay "A9" at 1945,1540 h50; Top Overlay "A10" at 2035,1640 h50; Top Overlay "A11" at 1935,1640 h50; Top Overlay "A13" at 1935,1740 h50; Top Overlay "A12" at 2035,1740 h50; Top Overlay "A14" at 2040,1840 h50; Top Overlay "A15" at 1935,1840 h50; Top Overlay "A16" at 2040,1945 h50; Top Overlay "A17" at 1935,1940 h50; Top Overlay "5V" at 645,845 h50; Top Overlay "GND" at 525,845 h50; Top Overlay "D6" at 650,940 h50; Top Overlay "D5" at 545,940 h50; Top Overlay "D4" at 645,1040 h50; Top Overlay "D3" at 545,1040 h50; Top Overlay "D2" at 650,1140 h50; Top Overlay "D1" at 550,1140 h50; Top Overlay "C18" at 635,1240 h50; Top Overlay "D0" at 545,1240 h50; Top Overlay "C17" at 640,1340 h50; Top Overlay "C19" at 530,1340 h50; Top Overlay "C16" at 635,1440 h50; Top Overlay "C15" at 535,1440 h50; Top Overlay "C14" at 630,1540 h50; Top Overlay "C13" at 535,1540 h50; Top Overlay "C12" at 630,1640 h50; Top Overlay "C11" at 535,1640 h50; Top Overlay "C10" at 630,1740 h50; Top Overlay "C9" at 540,1740 h50; Top Overlay "C8" at 645,1835 h50; Top Overlay "C7" at 545,1840 h50; Top Overlay "C6" at 645,1940 h50; Top Overlay "C5" at 545,1940 h50; Top Overlay "0P0" at 2035,765 h50 r90; Top Overlay "0M0" at 2035,665 h50 r90; Top Overlay "D10" at 735,670 h50 r90; Top Overlay "D8" at 735,770 h50 r90; Top Overlay "D9" at 635,670 h50 r90; Top Overlay "D7" at 635,770 h50 r90; Top Overlay "A19" at 2140,2070 h50 r90; Top Overlay "A24" at 2035,2075 h50 r90; Top Overlay "A25" at 2135,2165 h50 r90; Top Overlay "A27" at 2035,2165 h50 r90; Top Overlay "C2" at 637,2182 h50 r90; Top Overlay "C1" at 734,2183 h50 r90; Top Overlay "C3" at 734,2087 h50 r90; Top Overlay "C4" at 635,2085 h50 r90; Top Overlay "1M1" at 1935,665 h50 r90; Top Overlay "1P1" at 1935,770 h50 r90; Top Overlay "0M1" at 1835,665 h50 r90; Top Overlay "0P1" at 1835,770 h50 r90; Top Overlay "UDM" at 1735,660 h50 r90; Top Overlay "UDP" at 1735,765 h50 r90; Top Overlay "E10" at 1635,670 h50 r90; Top Overlay "E12" at 1635,770 h50 r90; Top Overlay "E9" at 1535,675 h50 r90; Top Overlay "E11" at 1535,770 h50 r90; Top Overlay "E7" at 1435,770 h50 r90; Top Overlay "E5" at 1335,675 h50 r90; Top Overlay "E6" at 1335,770 h50 r90; Top Overlay "E3" at 1235,675 h50 r90; Top Overlay "E4" at 1235,770 h50 r90; Top Overlay "E1" at 1135,675 h50 r90; Top Overlay "E2" at 1135,770 h50 r90; Top Overlay "D15" at 1035,670 h50 r90; Top Overlay "E0" at 1035,770 h50 r90; Top Overlay "D14" at 935,770 h50 r90; Top Overlay "D13" at 935,670 h50 r90; Top Overlay "D11" at 835,670 h50 r90; Top Overlay "D12" at 835,770 h50 r90; Top Overlay "A28" at 1935,2075 h50 r90; Top Overlay "A26" at 1935,2165 h50 r90; Top Overlay "A29" at 1835,2165 h50 r90; Top Overlay "B3" at 1735,2080 h50 r90; Top Overlay "B0" at 1735,2185 h50 r90; Top Overlay "B5" at 1635,2085 h50 r90; Top Overlay "B2" at 1635,2185 h50 r90; Top Overlay "B6" at 1535,2080 h50 r90; Top Overlay "B4" at 1535,2185 h50 r90; Top Overlay "B8" at 1435,2079 h50 r90; Top Overlay "B7" at 1435,2180 h50 r90; Top Overlay "B11" at 1335,2078 h50 r90; Top Overlay "B9" at 1335,2176 h50 r90; Top Overlay "B17" at 1237,2080 h50 r90; Top Overlay "B10" at 1234,2176 h50 r90; Top Overlay "B16" at 1134,2179 h50 r90; Top Overlay "B19" at 1136,2081 h50 r90; Top Overlay "B21" at 1035,2081 h50 r90; Top Overlay "B18" at 1035,2180 h50 r90; Top Overlay "B20" at 934,2180 h50 r90; Top Overlay "B23" at 936,2081 h50 r90; Top Overlay "C0" at 835,2087 h50 r90; Top Overlay "B22" at 834,2178 h50 r90; Top Overlay "E8" at 1435,675 h50 r90